# Altium PCB MyNixie - V2-Release.PcbDoc (part 1 of 2)
Units mm, origin at the board's own origin, x right, y up, seen from the top; angles counter-clockwise.
Board outline 190.25 x 80.25 mm, 2 copper layers (Top Layer, Bottom Layer); 206 components, 192 nets, 688 pads, 256 vias.
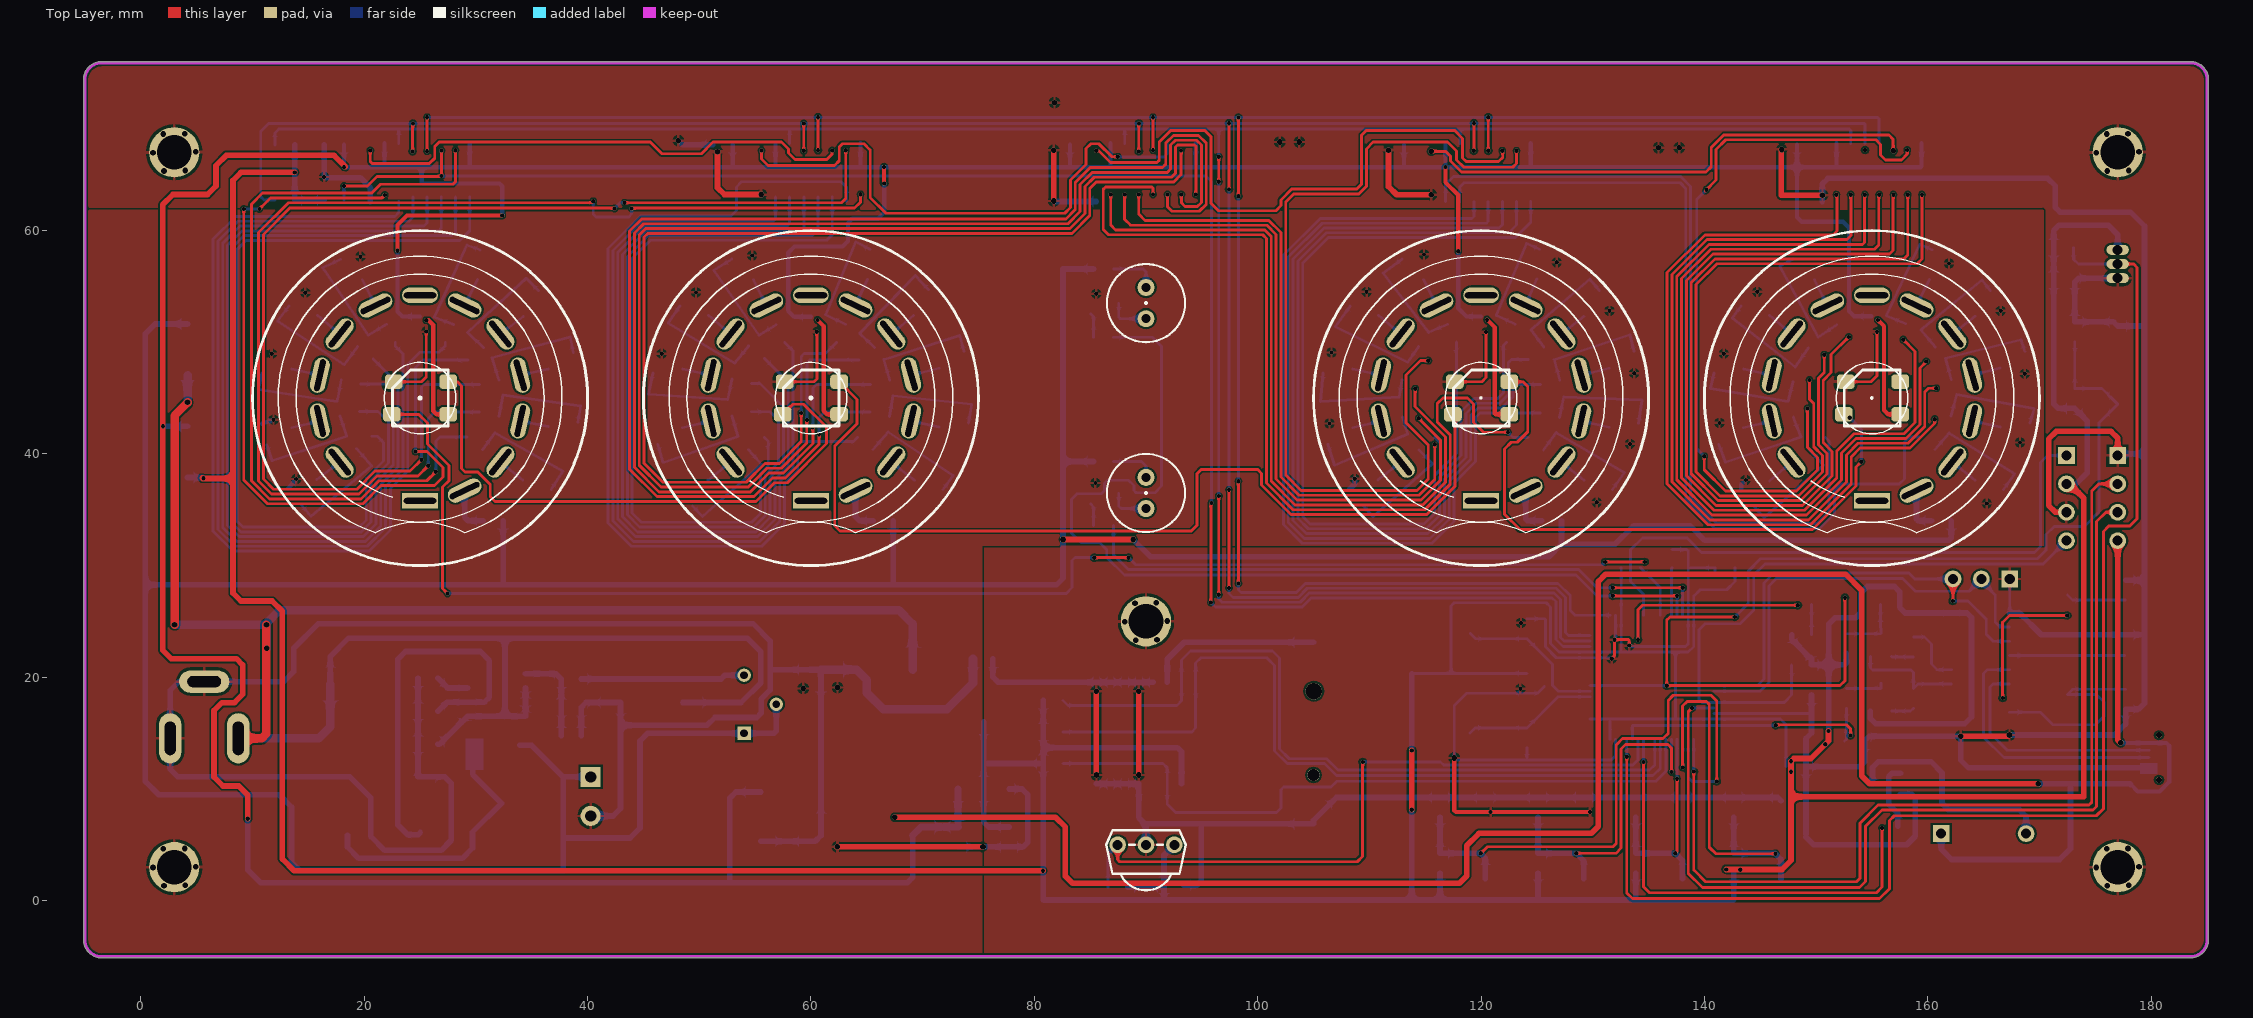
[diagram p0: Top Layer view]
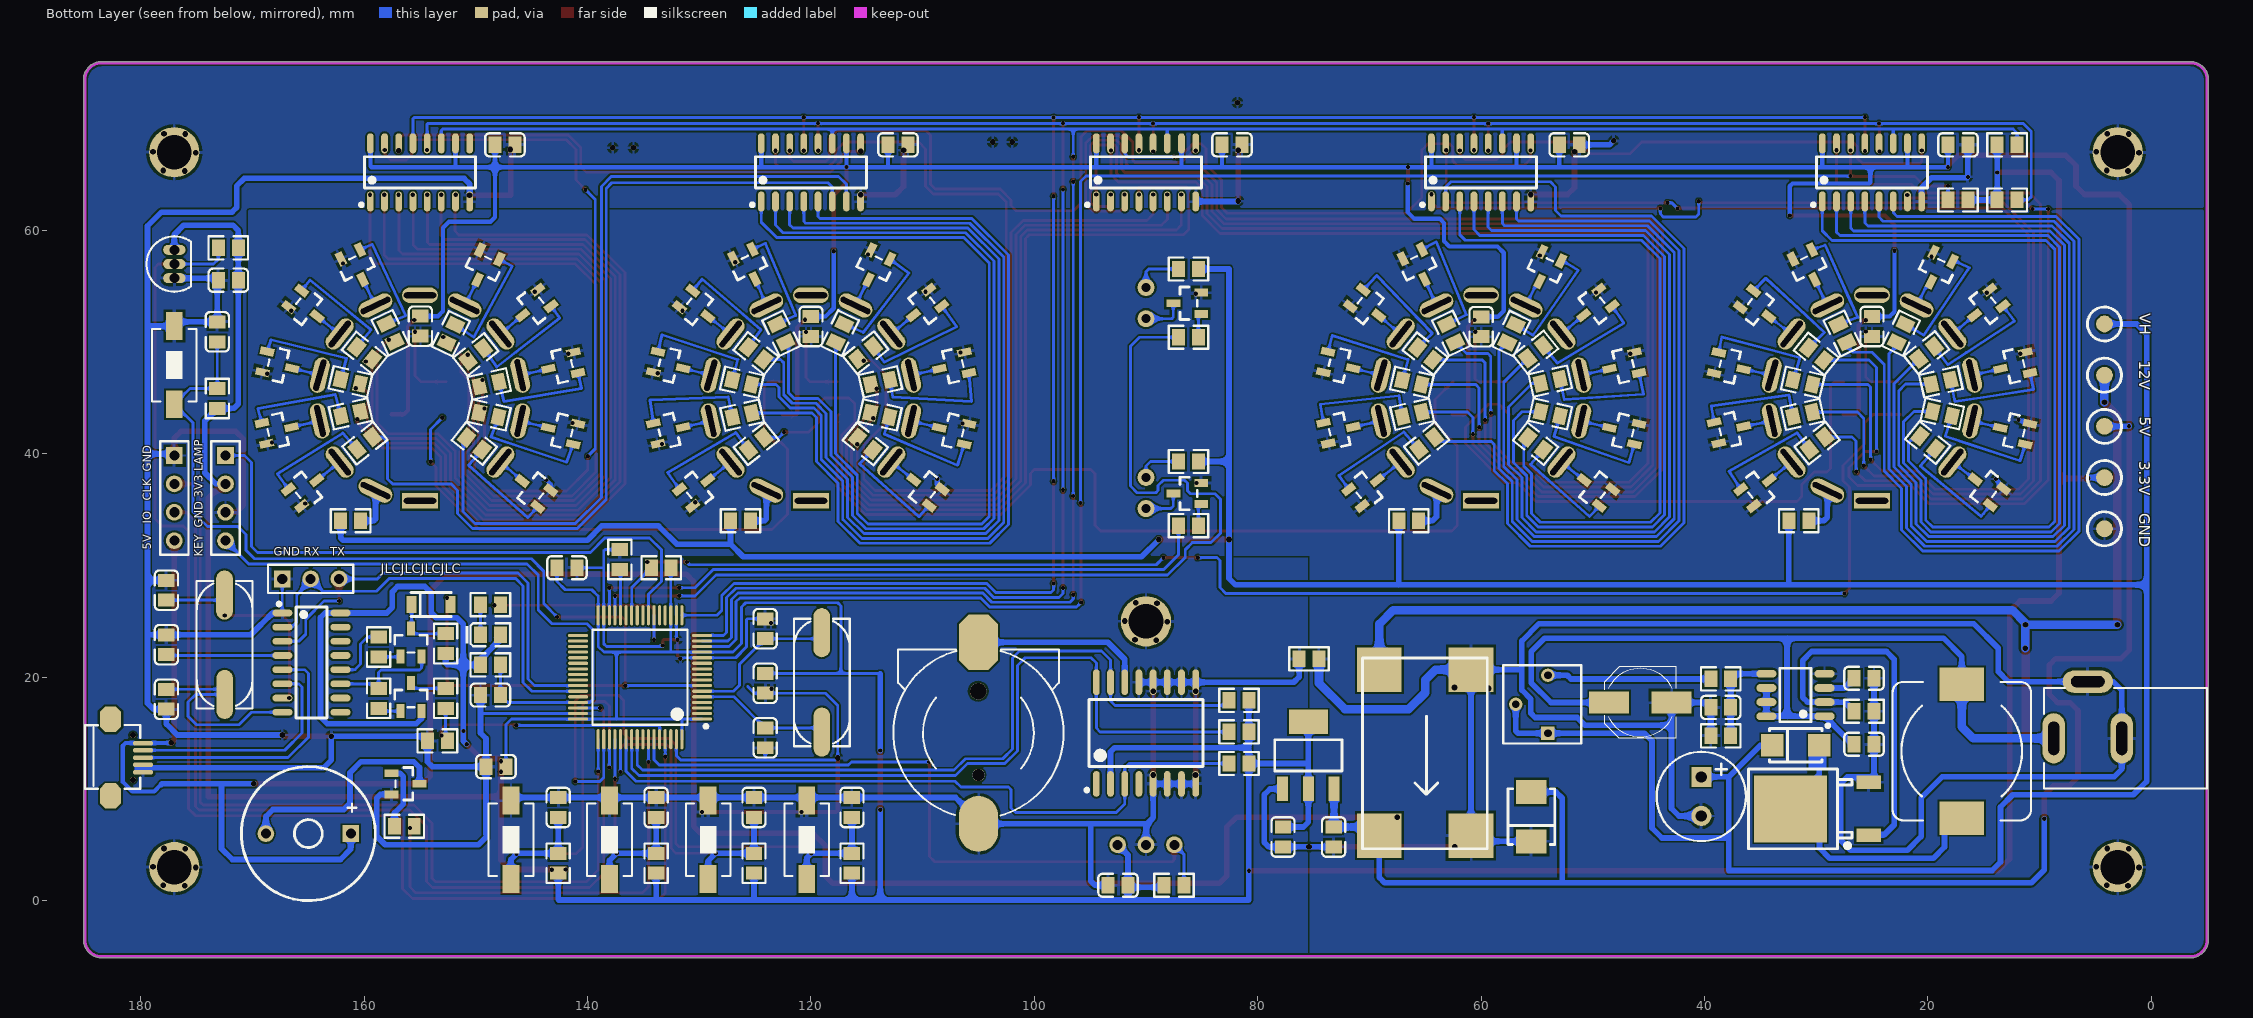
[diagram p1: Bottom Layer view, seen from below]
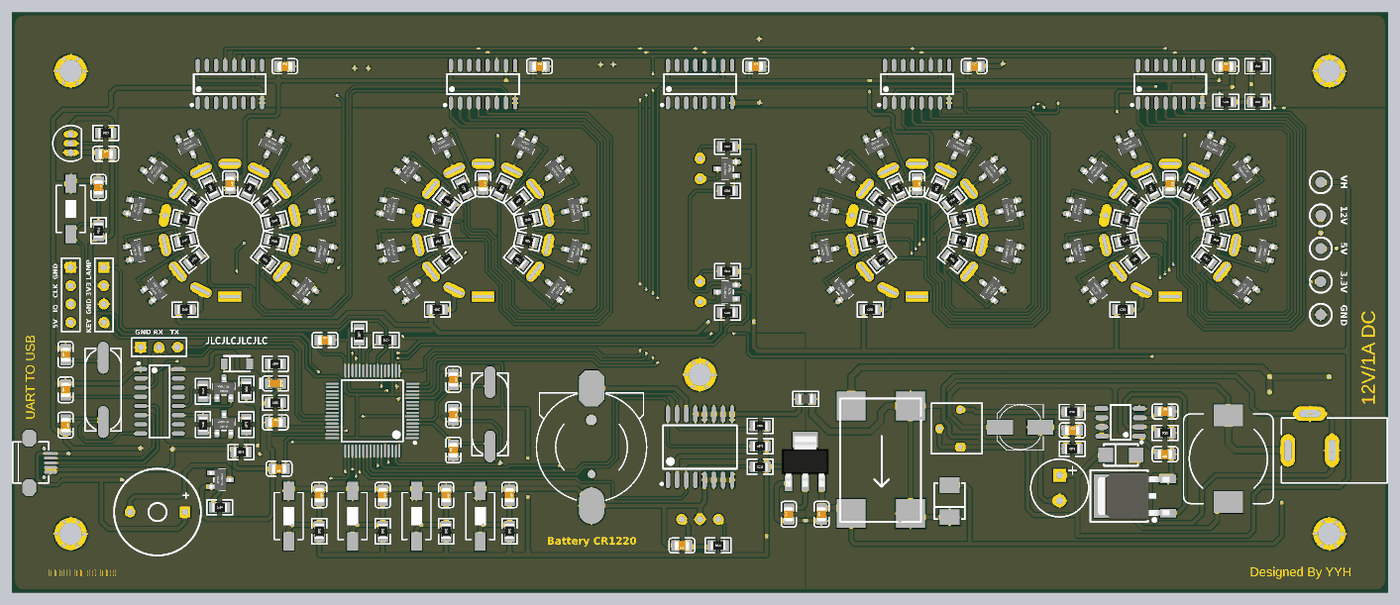
[diagram p3: 3D render of the assembled board from below, using the file's embedded part models]

## Layer stack, top to bottom
Top Solder: solder mask 0.0102, Solder Resist, Dk 3.5
Top Layer: signal copper 0.0356
Dielectric 1: dielectric 0.32, FR-4, Dk 4.8
Bottom Layer: signal copper 0.0356
Bottom Solder: solder mask 0.0102, Solder Resist, Dk 3.5

## Board outline
-3.529,-5.127 cw(c-3.5,-3.5) -5.127,-3.5 cw(c-5,-3.5) -5.127,-3.5 cw(c-5,-3.499) -5.127,-3.499 -5.127,73.5 cw(c-3.5,73.5) -3.527,75.127 cw(c-3.519,75) -3.519,75.127 183.539,75.127 cw(c183.539,75) 183.554,75.126 cw(c183.5,73.5) 185.126,73.568 cw(c185,73.549) 185.127,73.549 185.127,-3.527 cw(c185,-3.527) 185.127,-3.538 cw(c183.5,-3.5) 183.5,-5.127 cw(c183.5,-5) 183.479,-5.126 cw(c183.458,-5) 183.458,-5.127 -3.521,-5.127 cw(c-3.521,-5)

## Design rules (kind name [scope] priority, off if disabled: settings)
Clearance [All] p1: gap=0.178
ComponentClearance [All] p1: gap=0 collisioncheckmode=3 verticalgap=0 showdistances=FALSE
Height [All] p1: minheight=0 maxheight=127 prefheight=12.7
PolygonConnect [All] p1: connectstyle=Relief reliefconductorwidth=0.254 reliefentries=4 polygonreliefangle="90 Angle" airgapwidth=0.254
RoutingVias [All] p1: holewidth=0.508 width=0.508 viastyle="Through Hole" minholewidth=0.381 minwidth=0.381 maxholewidth=0.711 maxwidth=1.27
SolderMaskExpansion [All] p1: expansion=0.102
Width [All] p1: maxlimit=2.54 minlimit=0.178 preferedwidth=0.508
28 further rules are at their usual default settings.

## Components (designator, comment, footprint, x,y, rotation, side; value= is the part's Value field where it differs from the comment)
BT1 "" CR1220 105,15 r0 bottom
C1 "" LC-0805_C 73.2,5.7 r90 bottom
C2 "" LC-0805_C 77.73,5.7 r90 bottom
C3 "" LC-0805_C 148.7,18.41 r180 bottom
C4 "" LC-0805_C 25,51.41 r270 bottom
C5 "" LC-0805_C 154.965,51.435 r270 bottom
C6 "" LC-0805_C 120,51.41 r270 bottom
C7 "" LC-0805_C 59.995,51.384 r270 bottom
C8 "" LC-0805_C 38.54,17.302 r180 bottom
C9 "" LC-0805_C 25.71,19.91 r180 bottom
C10 "" C-RB-8 40.28,11.08 r270 bottom
C11 "" LC-0805_C 25.71,14 r0 bottom
C12 "" C-RB-S6 45.74,17.735 r180 bottom
C13 "" LC-0805_C 124.1,14.579 r90 bottom
C14 "" LC-0805_C 124.1,24.342 r270 bottom
C15 "" LC-0805_C 148.2,12 r0 bottom
C16 "" LC-0805_C 124.1,19.46 r270 bottom
C17 "" LC-0805_C 141.848,29.8 r180 bottom
C18 "" LC-0805_C 173.15,50.926 r270 bottom
C19 "" LC-0805_C 17.3,67.67 r180 bottom
C20 "" LC-0805_C 52.1,67.67 r180 bottom
C21 "" LC-0805_C 82.3,67.67 r180 bottom
C22 "" LC-0805_C 112.2,67.67 r180 bottom
C23 "" LC-0805_C 147.4,67.67 r180 bottom
C24 "" LC-0805_C 177.71,22.91 r90 bottom
C25 "" LC-0805_C 177.71,27.792 r90 bottom
C26 "" LC-0805_C 177.71,18.028 r270 bottom
C27 "" LC-0805_C 172.162,55.551 r180 bottom
C28 "" LC-0805_C 142.63,8.345 r270 bottom
C29 "" LC-0805_C 133.863,8.345 r270 bottom
C30 "" LC-0805_C 125.097,8.345 r270 bottom
C31 "" LC-0805_C 116.33,8.345 r270 bottom
C32 "" LC-0805_C 92.5,1.378 r0 bottom
D1 "" LC-SMB(DO-214AA)_S1 55.5,7.519 r90 bottom
D2 "" LC-SMA(DO-214AC)_S1 31.82,13.91 r180 bottom
D3 "" LC-0805_LED_S1 148.7,23.803 r180 bottom
D4 "" LC-LL-34 154.01,26.51 r180 bottom
J1 "" DC-005 9.613,14.53 r180 bottom
J2 "" CHECK-B 4.183,51.633 r270 bottom
J3 "" CHECK-B 4.183,47.048 r270 bottom
J4 "" CHECK-B 4.183,42.463 r270 bottom
J5 "" CHECK-B 4.183,37.878 r270 bottom
J6 "" CHECK-B 4.183,33.294 r270 bottom
J7 "" USB_MICRO 181.45,15.35 r270 bottom
J8 "" Beep 165,6 r0 bottom
L1 "" L-SMD-12 16.96,13.383 r270 bottom
L2 "" LC-0805_L 75.4,21.645 r0 bottom
P1 "" HDR4X1_A 172.415,39.853 r270 bottom
P2 "" HDR4X1_A 177,39.853 r270 bottom
P3 "" HDR3X1_A 167.335,28.804 r180 bottom
Q1 "" LC-SOT-23(SOT-23-3) 86.303,53.486 r180 bottom
Q2 "" LC-SOT-23(SOT-23-3) 86.303,36.453 r180 bottom
Q3 "" LC-TO-252-2-180 25.29,8.22 r0 bottom
Q4 "" LC-SOT-23(SOT-23-3) 35.18,36.86 r321.43 bottom
Q5 "" LC-SOT-23(SOT-23-3) 37.7,42.17 r347.14 bottom
Q6 "" LC-SOT-23(SOT-23-3) 37.71,47.87 r12.86 bottom
Q7 "" LC-SOT-23(SOT-23-3) 35.22,53.08 r38.57 bottom
Q8 "" LC-SOT-23(SOT-23-3) 30.69,56.73 r64.29 bottom
Q9 "" LC-SOT-23(SOT-23-3) 19.177,56.515 r115.71 bottom
Q10 "" LC-SOT-23(SOT-23-3) 14.84,53.19 r141.43 bottom
Q11 "" LC-SOT-23(SOT-23-3) 12.28,47.89 r167.14 bottom
Q12 "" LC-SOT-23(SOT-23-3) 12.29,42.06 r192.86 bottom
Q13 "" LC-SOT-23(SOT-23-3) 14.78,36.93 r218.57 bottom
Q14 "" LC-SOT-23(SOT-23-3) 70.26,36.86 r321.43 bottom
Q15 "" LC-SOT-23(SOT-23-3) 72.67,42.13 r347.14 bottom
Q16 "" LC-SOT-23(SOT-23-3) 72.69,47.95 r12.86 bottom
Q17 "" LC-SOT-23(SOT-23-3) 70.15,53.17 r38.57 bottom
Q18 "" LC-SOT-23(SOT-23-3) 65.61,56.76 r64.29 bottom
Q19 "" LC-SOT-23(SOT-23-3) 54.229,56.566 r115.71 bottom
Q20 "" LC-SOT-23(SOT-23-3) 49.84,53.19 r141.43 bottom
Q21 "" LC-SOT-23(SOT-23-3) 47.28,47.89 r167.14 bottom
Q22 "" LC-SOT-23(SOT-23-3) 47.29,42.06 r192.86 bottom
Q23 "" LC-SOT-23(SOT-23-3) 49.79,36.87 r218.57 bottom
Q24 "" LC-SOT-23(SOT-23-3) 130.2,36.86 r321.43 bottom
Q25 "" LC-SOT-23(SOT-23-3) 132.68,42.1 r347.14 bottom
Q26 "" LC-SOT-23(SOT-23-3) 132.68,47.95 r12.86 bottom
Q27 "" LC-SOT-23(SOT-23-3) 130.2,53.09 r38.57 bottom
Q28 "" LC-SOT-23(SOT-23-3) 125.54,56.79 r64.29 bottom
Q29 "" LC-SOT-23(SOT-23-3) 114.31,56.72 r115.71 bottom
Q30 "" LC-SOT-23(SOT-23-3) 109.84,53.19 r141.43 bottom
Q31 "" LC-SOT-23(SOT-23-3) 107.28,47.89 r167.14 bottom
Q32 "" LC-SOT-23(SOT-23-3) 107.29,42.06 r192.86 bottom
Q33 "" LC-SOT-23(SOT-23-3) 109.81,36.89 r218.57 bottom
Q34 "" LC-SOT-23(SOT-23-3) 165.21,36.86 r321.43 bottom
Q35 "" LC-SOT-23(SOT-23-3) 167.72,42.12 r347.14 bottom
Q36 "" LC-SOT-23(SOT-23-3) 167.68,47.96 r12.86 bottom
Q37 "" LC-SOT-23(SOT-23-3) 165.2,53.1 r38.57 bottom
Q38 "" LC-SOT-23(SOT-23-3) 160.68,56.74 r64.29 bottom
Q39 "" LC-SOT-23(SOT-23-3) 149.3,56.72 r115.71 bottom
Q40 "" LC-SOT-23(SOT-23-3) 144.84,53.19 r141.43 bottom
Q41 "" LC-SOT-23(SOT-23-3) 142.28,47.89 r167.14 bottom
Q42 "" LC-SOT-23(SOT-23-3) 142.29,42.06 r192.86 bottom
Q43 "" LC-SOT-23(SOT-23-3) 144.86,36.79 r218.57 bottom
Q44 "" LC-SOT-23(SOT-23-3) 155.81,23.117 r270 bottom
Q45 "" LC-SOT-23(SOT-23-3) 155.81,18.217 r270 bottom
Q46 "" LC-SOT-23(SOT-23-3) 156.3,10.46 r0 bottom
R1 "" LC-0805_R 148.7,21.107 r180 bottom
R2 "" LC-0805_R 86.197,50.438 r0 bottom
R3 "" LC-0805_R 38.54,14.755 r180 bottom
R4 "" LC-0805_R 38.54,19.85 r0 bottom
R5 "" LC-0805_R 86.197,56.556 r180 bottom
R6 "" LC-0805_R 66.472,34.011 r0 bottom
R7 "" VR_B1 54.02,17.58 r90 bottom
R8 "" LC-0805_R 31.547,34.011 r0 bottom
R9 "" LC-0805_R 86.197,33.576 r0 bottom
R10 "" LC-0805_R 25.71,16.955 r0 bottom
R11 "" LC-0805_R 86.197,39.316 r180 bottom
R12 "" LC-0805_R 133.4,29.8 r180 bottom
R13 "" LC-0805_R 148.7,26.5 r180 bottom
R14 "" LC-0805_R 137.109,30.535 r270 bottom
R15 "" LC-0805_R 126.314,34.011 r0 bottom
R16 "" LC-0805_R 161.214,34.011 r0 bottom
R17 "" LC-0805_R 153.445,14.3 r180 bottom
R18 "" LC-0805_R 173.15,44.962 r90 bottom
R19 "" LC-0805_R 152.71,23.01 r270 bottom
R20 "" LC-0805_R 158.71,22.71 r270 bottom
R21 "" LC-0805_R 12.9,62.737 r180 bottom
R22 "" LC-0805_R 29.91,40.95 r321.43 bottom
R23 "" LC-0805_R 31.19,46.41 r12.86 bottom
R24 "" LC-0805_R 62.7,50.8 r64.29 bottom
R25 "" LC-0805_R 115.1,49.05 r141.43 bottom
R26 "" LC-0805_R 148.83,43.49 r192.86 bottom
R27 "" LC-0805_R 12.9,67.67 r180 bottom
R28 "" LC-0805_R 158.71,18.11 r270 bottom
R29 "" LC-0805_R 20.01,41.02 r218.57 bottom
R30 "" LC-0805_R 31.2,43.54 r347.14 bottom
R31 "" LC-0805_R 65,48.97 r38.57 bottom
R32 "" LC-0805_R 117.4,50.81 r115.71 bottom
R33 "" LC-0805_R 148.8,46.26 r167.14 bottom
R34 "" LC-0805_R 18.71,43.6 r192.86 bottom
R35 "" LC-0805_R 64.87,40.94 r321.43 bottom
R36 "" LC-0805_R 66.19,46.4 r12.86 bottom
R37 "" LC-0805_R 122.66,50.8 r64.29 bottom
R38 "" LC-0805_R 150,48.91 r141.43 bottom
R39 "" LC-0805_R 17.3,62.737 r0 bottom
R40 "" LC-0805_R 18.82,46.44 r167.14 bottom
R41 "" LC-0805_R 55.12,40.92 r218.57 bottom
R42 "" LC-0805_R 66.17,43.55 r347.14 bottom
R43 "" LC-0805_R 124.92,49 r38.57 bottom
R44 "" LC-0805_R 152.24,50.76 r115.71 bottom
R45 "" LC-0805_R 20.11,49.06 r141.43 bottom
R46 "" LC-0805_R 53.81,43.58 r192.86 bottom
R47 "" LC-0805_R 124.9,40.91 r321.43 bottom
R48 "" LC-0805_R 126.18,46.41 r12.86 bottom
R49 "" LC-0805_R 157.64,50.85 r64.29 bottom
R50 "" LC-0805_R 22.39,50.8 r115.71 bottom
R51 "" LC-0805_R 53.81,46.51 r167.14 bottom
R52 "" LC-0805_R 115.14,40.9 r218.57 bottom
R53 "" LC-0805_R 126.16,43.47 r347.14 bottom
R54 "" LC-0805_R 159.97,49.02 r38.57 bottom
R55 "" LC-0805_R 27.64,50.78 r64.29 bottom
R56 "" LC-0805_R 55.12,49.12 r141.43 bottom
R57 "" LC-0805_R 113.82,43.49 r192.86 bottom
R58 "" LC-0805_R 159.94,40.96 r321.43 bottom
R59 "" LC-0805_R 161.23,46.47 r12.86 bottom
R60 "" LC-0805_R 152.71,18.11 r90 bottom
R61 "" LC-0805_R 29.99,48.95 r38.57 bottom
R62 "" LC-0805_R 57.27,50.77 r115.71 bottom
R63 "" LC-0805_R 113.78,46.44 r167.14 bottom
R64 "" LC-0805_R 150.13,40.92 r218.57 bottom
R65 "" LC-0805_R 161.22,43.58 r347.14 bottom
R66 "" LC-0805_R 172.162,58.449 r180 bottom
R67 "" LC-0805_R 81.68,15.105 r180 bottom
R68 "" LC-0805_R 81.68,17.93 r180 bottom
R69 "" LC-0805_R 142.63,3.345 r90 bottom
R70 "" LC-0805_R 133.863,3.345 r90 bottom
R71 "" LC-0805_R 125.097,3.345 r90 bottom
R72 "" LC-0805_R 116.33,3.345 r90 bottom
R73 "" LC-0805_R 81.68,12.28 r0 bottom
R74 "" LC-0805_R 156.407,6.66 r0 bottom
R75 "" LC-0805_R 87.5,1.378 r180 bottom
S1 "" SW_PB2_A1 177,48 r0 bottom
S2 "" SW_PB2_A1 146.862,5.391 r180 bottom
S3 "" SW_PB2_A1 138.034,5.391 r180 bottom
S4 "" SW_PB2_A1 129.206,5.391 r180 bottom
S5 "" SW_PB2_A1 120.378,5.391 r180 bottom
T1 "" 螺丝孔-3MM 3,3 r0 top
T2 "" 螺丝孔-3MM 3,67 r0 top
T3 "" 螺丝孔-3MM 177,67 r0 top
T4 "" 螺丝孔-3MM 177,3 r0 top
T5 "" 螺丝孔-3MM 90,25 r0 top
T6 "" QS30-1 25,45 r0 top
T7 "" QS30-1 60,45 r0 top
T8 "" QS30-1 120,45 r0 top
T9 "" QS30-1 155,45 r0 top
U1 "" "MP1584 MODULE" 65,13.249 r270 bottom
U2 "" WS2812 25,45 r180 top
U3 "" WS2812 60,45 r180 top
U4 "" WS2812 120,45 r180 top
U5 "" WS2812 155,45 r180 top
U6 "" LC-SOIC-8_150mil 31.85,18.41 r90 bottom
U7 "" LC-LQFP-64_10x10x05P 135.3,20 r90 bottom
U8 "" LC-SOIC-16_150mil 164.72,21.313 r270 bottom
U9 "" LC-SOIC-16_150mil 25,65.203 r180 bottom
U10 "" LC-SOIC-16_150mil 60,65.203 r180 bottom
U11 "" LC-SOIC-16_150mil 90,65.203 r180 bottom
U12 "" LC-SOIC-16_150mil 120,65.203 r180 bottom
U13 "" LC-SOIC-16_150mil 155,65.203 r180 bottom
U14 "" TO-92A 177,57 r180 bottom
U15 "" LC-SOIC-16_300mil 90,15 r180 bottom
U16 "" HS0038B 90,5 r0 top
UP1 "" NEON 90,53.5 r90 top
UP2 "" NEON 90,36.5 r90 top
VR1 "" LC-SOT-223 75.465,13 r270 bottom
Y1 "" X-SM49 119.026,19.537 r270 bottom
Y2 "" X-SM49 172.5,22.91 r90 bottom

## Footprints (in the part's own frame and the unit in brackets; to place one, negate y for a bottom-side part, rotate by r counter-clockwise, add the part's x,y. Pads: shape width x height; smd on the part's side, far side on the other; paste and mask are expansions set on the pad)
Beep [mm] "蜂鸣器"
  rect 1.5x1.5 hole 0.9: 1(-3.8,0)
  round 1.5 hole 0.9: 2(3.8,0)
  silkscreen extent -6,-6 6,6, body extent -6.02,-6.02 5.97,5.97, height 9.6
C-RB-8 [mm] "35V 220UF电容"
  rect 1.8x1.8 hole 1: 1(0,0)
  round 1.8 hole 1: 2(3.5,0)
  silkscreen extent -2.25,-4 5.75,4
C-RB-S6 [mm] "贴片电解"
  rect 3.6x2 smd: 1(-2.794,0) 2(2.794,0)
  silkscreen extent -3.2,-3.2 3.2,3.2, body extent -3.15,-3.12 3.15,3.17, height 7.7
CHECK-B [mm] "Connector; Plug"
  round 1.5 smd: 1(0,0)
  silkscreen extent -1.52,-1.52 1.52,1.52
CR1220 [mm] "钮扣电池"
  round 1.1 hole 1.1: 0(0,3.75)
  round 1.5 hole 1.5: 0(0.025,-3.75)
  oct 3.5x5 smd: 1(0,-8.128)
  oval 3.5x5 smd: 2(0,8.128)
  silkscreen extent -7.62,-7.5 7.62,7.36, body extent -6.99,-7 7,7, height 4
DC-005 [mm] "DC母座5.5mm"
  oval 2x4.5 hole 1 slot 3 at 90 deg: 1(0.889,0) 2(6.985,0)
  oval 4.5x2 hole 1 slot 3 at 0 deg: 3(3.937,5.08)
  silkscreen extent 0,-4.5 14.61,4.5, body extent 0,-4.45 14.6,4.44, height 11
HDR3X1_A [mm] "Connector; Header; 3 Position"
  rect 1.5x1.5 hole 0.9: 1(0,0)
  round 1.5 hole 0.9: 2(2.54,0) 3(5.08,0)
  silkscreen extent -1.27,-1.27 6.35,1.27
HDR4X1_A [mm] "Connector; Header; 4 Position"
  rect 1.5x1.5 hole 0.9: 1(0,0)
  round 1.5 hole 0.9: 2(2.54,0) 3(5.08,0) 4(7.62,0)
  silkscreen extent -1.27,-1.27 8.89,1.27
HS0038B [mm] "红外接收头"
  round 1.5 hole 0.9: 1(-2.54,0) 2(0,0) 3(2.54,0)
  silkscreen extent -3.56,-4.08 3.56,1.3
L-SMD-12 [mm] "贴片电感12*12"
  rect 3x4 smd: 1(-6,0) 2(6,0)
  silkscreen extent -6.2,-6.2 6.2,6.2, body extent -6.21,-6.23 6.21,6.18, height 2.5
LC-0805_C [mm]
  rect 1.16x1.47 smd: 1(-0.89,0) 2(0.89,0)
  silkscreen extent -1.77,-1.04 1.77,1.04, body extent -1,-0.63 1,0.63, height 0.77
LC-0805_L [mm]
  rect 1.16x1.47 smd: 1(-0.89,0) 2(0.89,0)
  silkscreen extent -1.77,-1.04 1.77,1.03, body extent -1.02,-0.64 1.03,0.64, height 0.6
LC-0805_LED_S1 [mm]
  rect 1.16x1.47 smd: A(0.89,0) K(-0.89,0)
  silkscreen extent -2.24,-1.03 1.77,1.04, body extent -1.01,-0.63 1.01,0.62, height 1.1
LC-0805_R [mm]
  rect 1.16x1.47 smd: 1(-0.89,0) 2(0.89,0)
  silkscreen extent -1.77,-1.03 1.77,1.04, body extent -1,-0.62 1,0.63, height 0.49
LC-LL-34 [mm]
  rect 0.9x1.5 smd: 1(1.75,0) 2(-1.75,0)
  silkscreen extent -1.8,-1.07 1.8,1.08
LC-LQFP-64_10x10x05P [mm]
  oval 0.28x1.8 smd mask+0.051: 1(-3.75,-5.55) 2(-3.25,-5.55) 3(-2.75,-5.55) 4(-2.25,-5.55) 5(-1.75,-5.55) 6(-1.25,-5.55) 7(-0.75,-5.55) 8(-0.25,-5.55) 9(0.25,-5.55) 10(0.75,-5.55) 11(1.25,-5.55) 12(1.75,-5.55) 13(2.25,-5.55) 14(2.75,-5.55) 15(3.25,-5.55) 16(3.75,-5.55) 33(3.75,5.55) 34(3.25,5.55) 35(2.75,5.55) 36(2.25,5.55) 37(1.75,5.55) 38(1.25,5.55) 39(0.75,5.55) 40(0.25,5.55) 41(-0.25,5.55) 42(-0.75,5.55) 43(-1.25,5.55) 44(-1.75,5.55) 45(-2.25,5.55) 46(-2.75,5.55) 47(-3.25,5.55) 48(-3.75,5.55)
  oval 1.8x0.28 smd mask+0.051: 17(5.55,-3.75) 18(5.55,-3.25) 19(5.55,-2.75) 20(5.55,-2.25) 21(5.55,-1.75) 22(5.55,-1.25) 23(5.55,-0.75) 24(5.55,-0.25) 25(5.55,0.25) 26(5.55,0.75) 27(5.55,1.25) 28(5.55,1.75) 29(5.55,2.25) 30(5.55,2.75) 31(5.55,3.25) 32(5.55,3.75) 49(-5.55,3.75) 50(-5.55,3.25) 51(-5.55,2.75) 52(-5.55,2.25) 53(-5.55,1.75) 54(-5.55,1.25) 55(-5.55,0.75) 56(-5.55,0.25) 57(-5.55,-0.25) 58(-5.55,-0.75) 59(-5.55,-1.25) 60(-5.55,-1.75) 61(-5.55,-2.25) 62(-5.55,-2.75) 63(-5.55,-3.25) 64(-5.55,-3.75)
  silkscreen extent -4.55,-6.05 4.25,4.25
LC-SMA(DO-214AC)_S1 [mm]
  rect 2x2 smd: 1(2.1,0) 2(-2.1,0)
  silkscreen extent -2.35,-1.5 2.35,1.5
LC-SMB(DO-214AA)_S1 [mm]
  rect 2.159x2.743 smd: 1(2.21,0) 2(-2.21,0)
  silkscreen extent -2.5,-2.1 2.5,2.1
LC-SOIC-8_150mil [mm]
  oval 0.7x1.8 smd: 1(-1.905,-2.6) 2(-0.635,-2.6) 3(0.635,-2.6) 4(1.905,-2.6) 5(1.905,2.6) 6(0.635,2.6) 7(-0.635,2.6) 8(-1.905,2.6)
  silkscreen extent -2.9,-3.05 2.4,1.4